# Altium PCB rt10.PcbDoc (part 1 of 4) (continued)
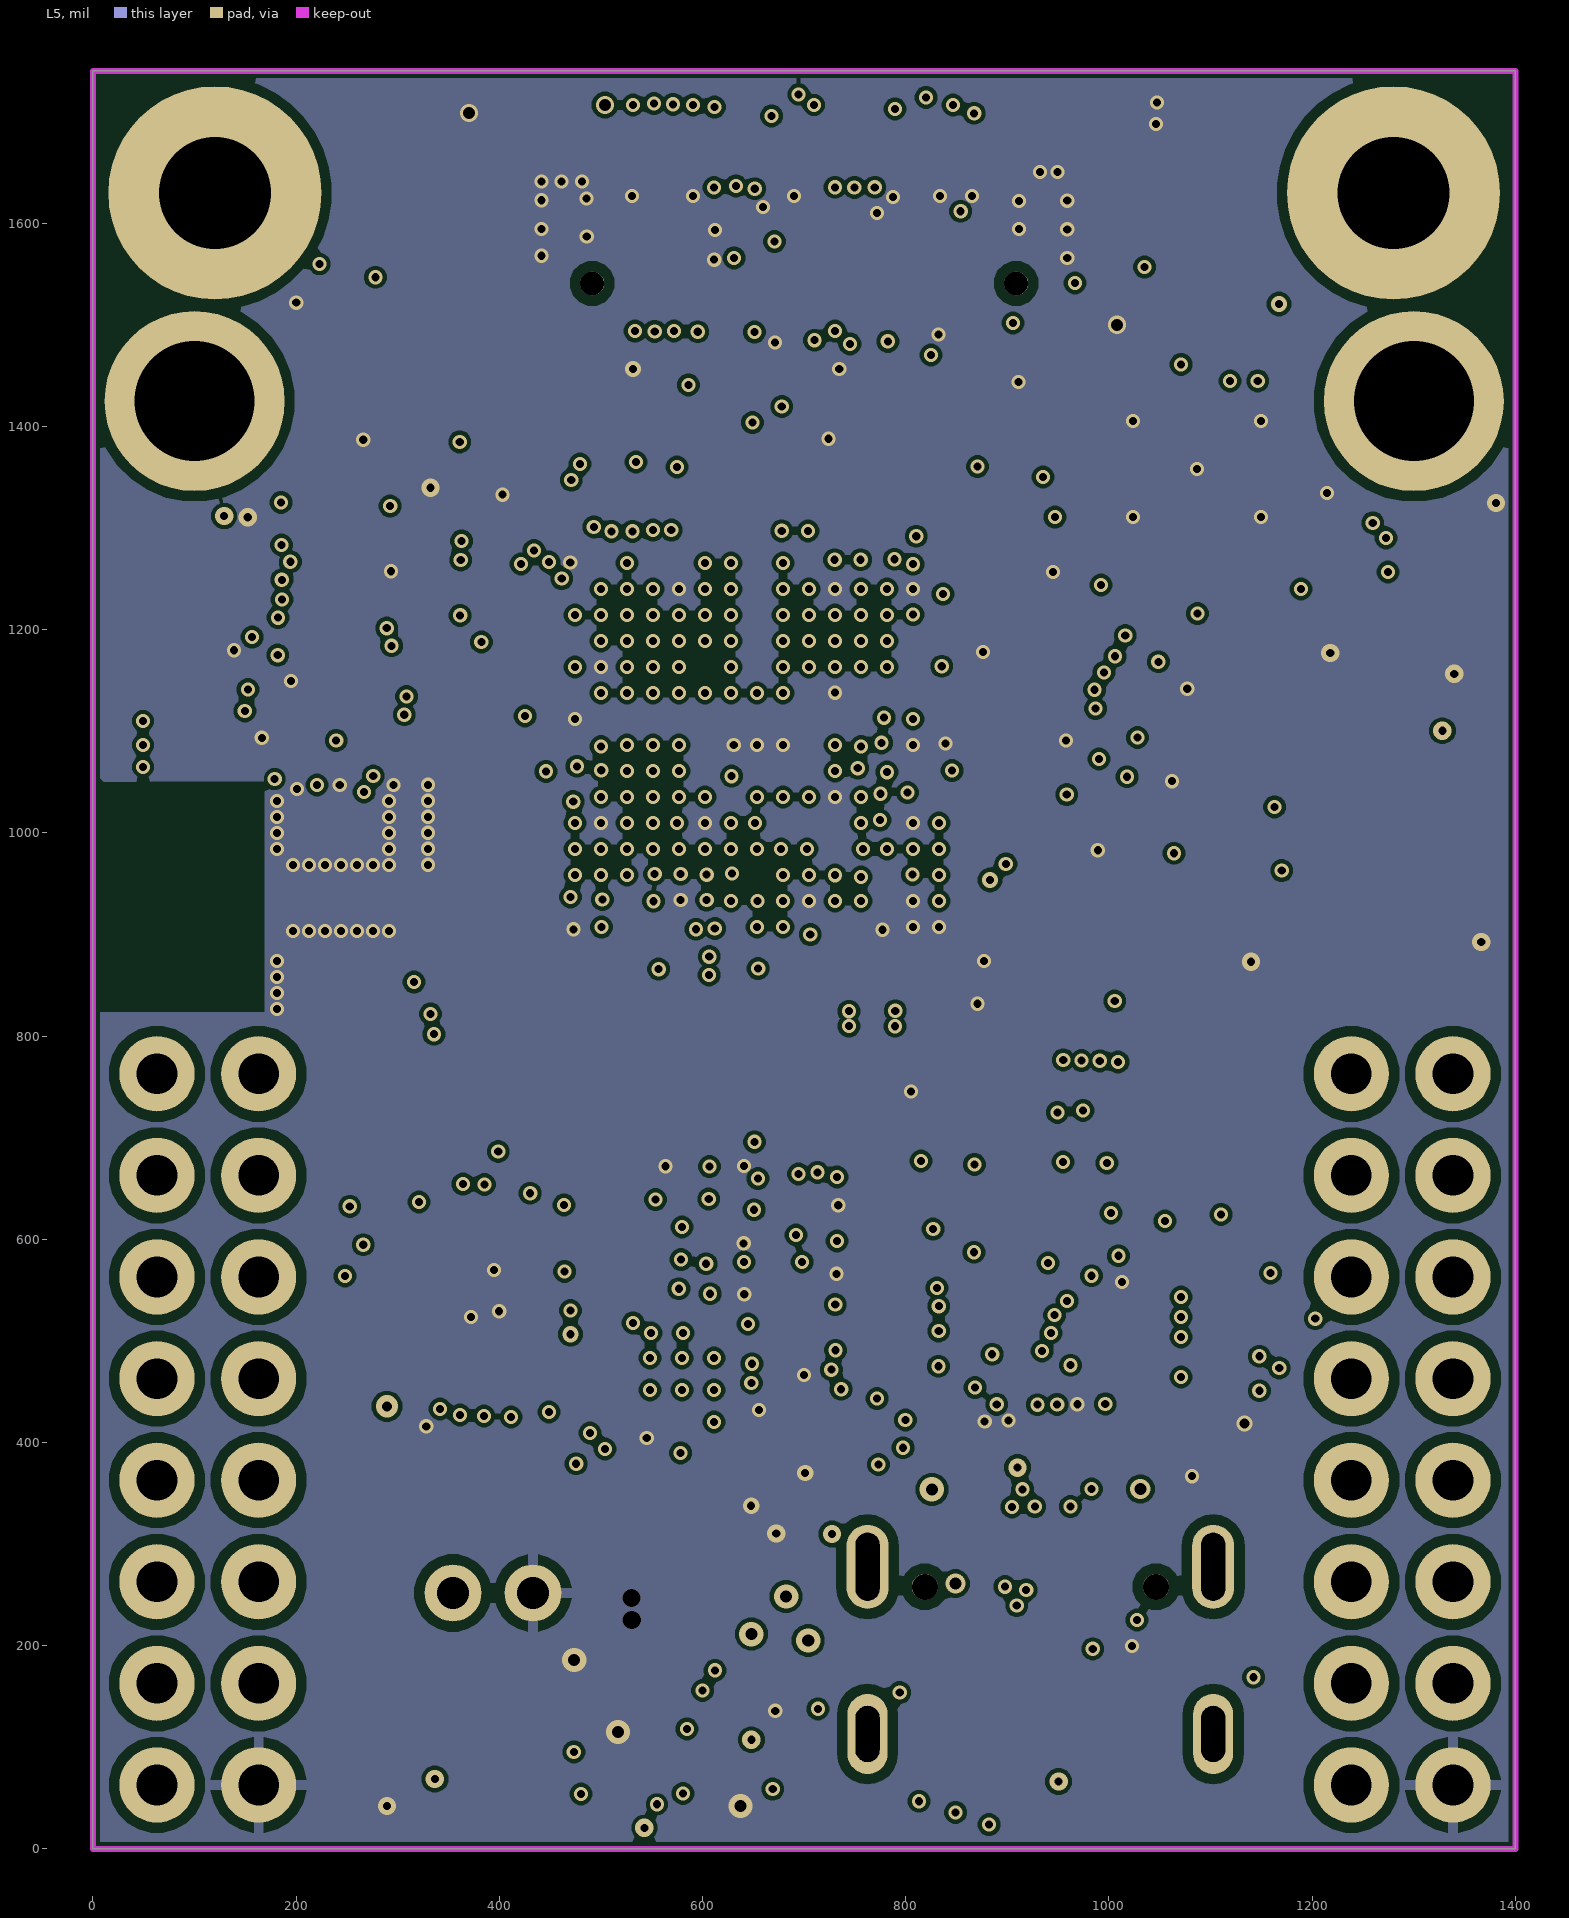
[diagram p5: L5]
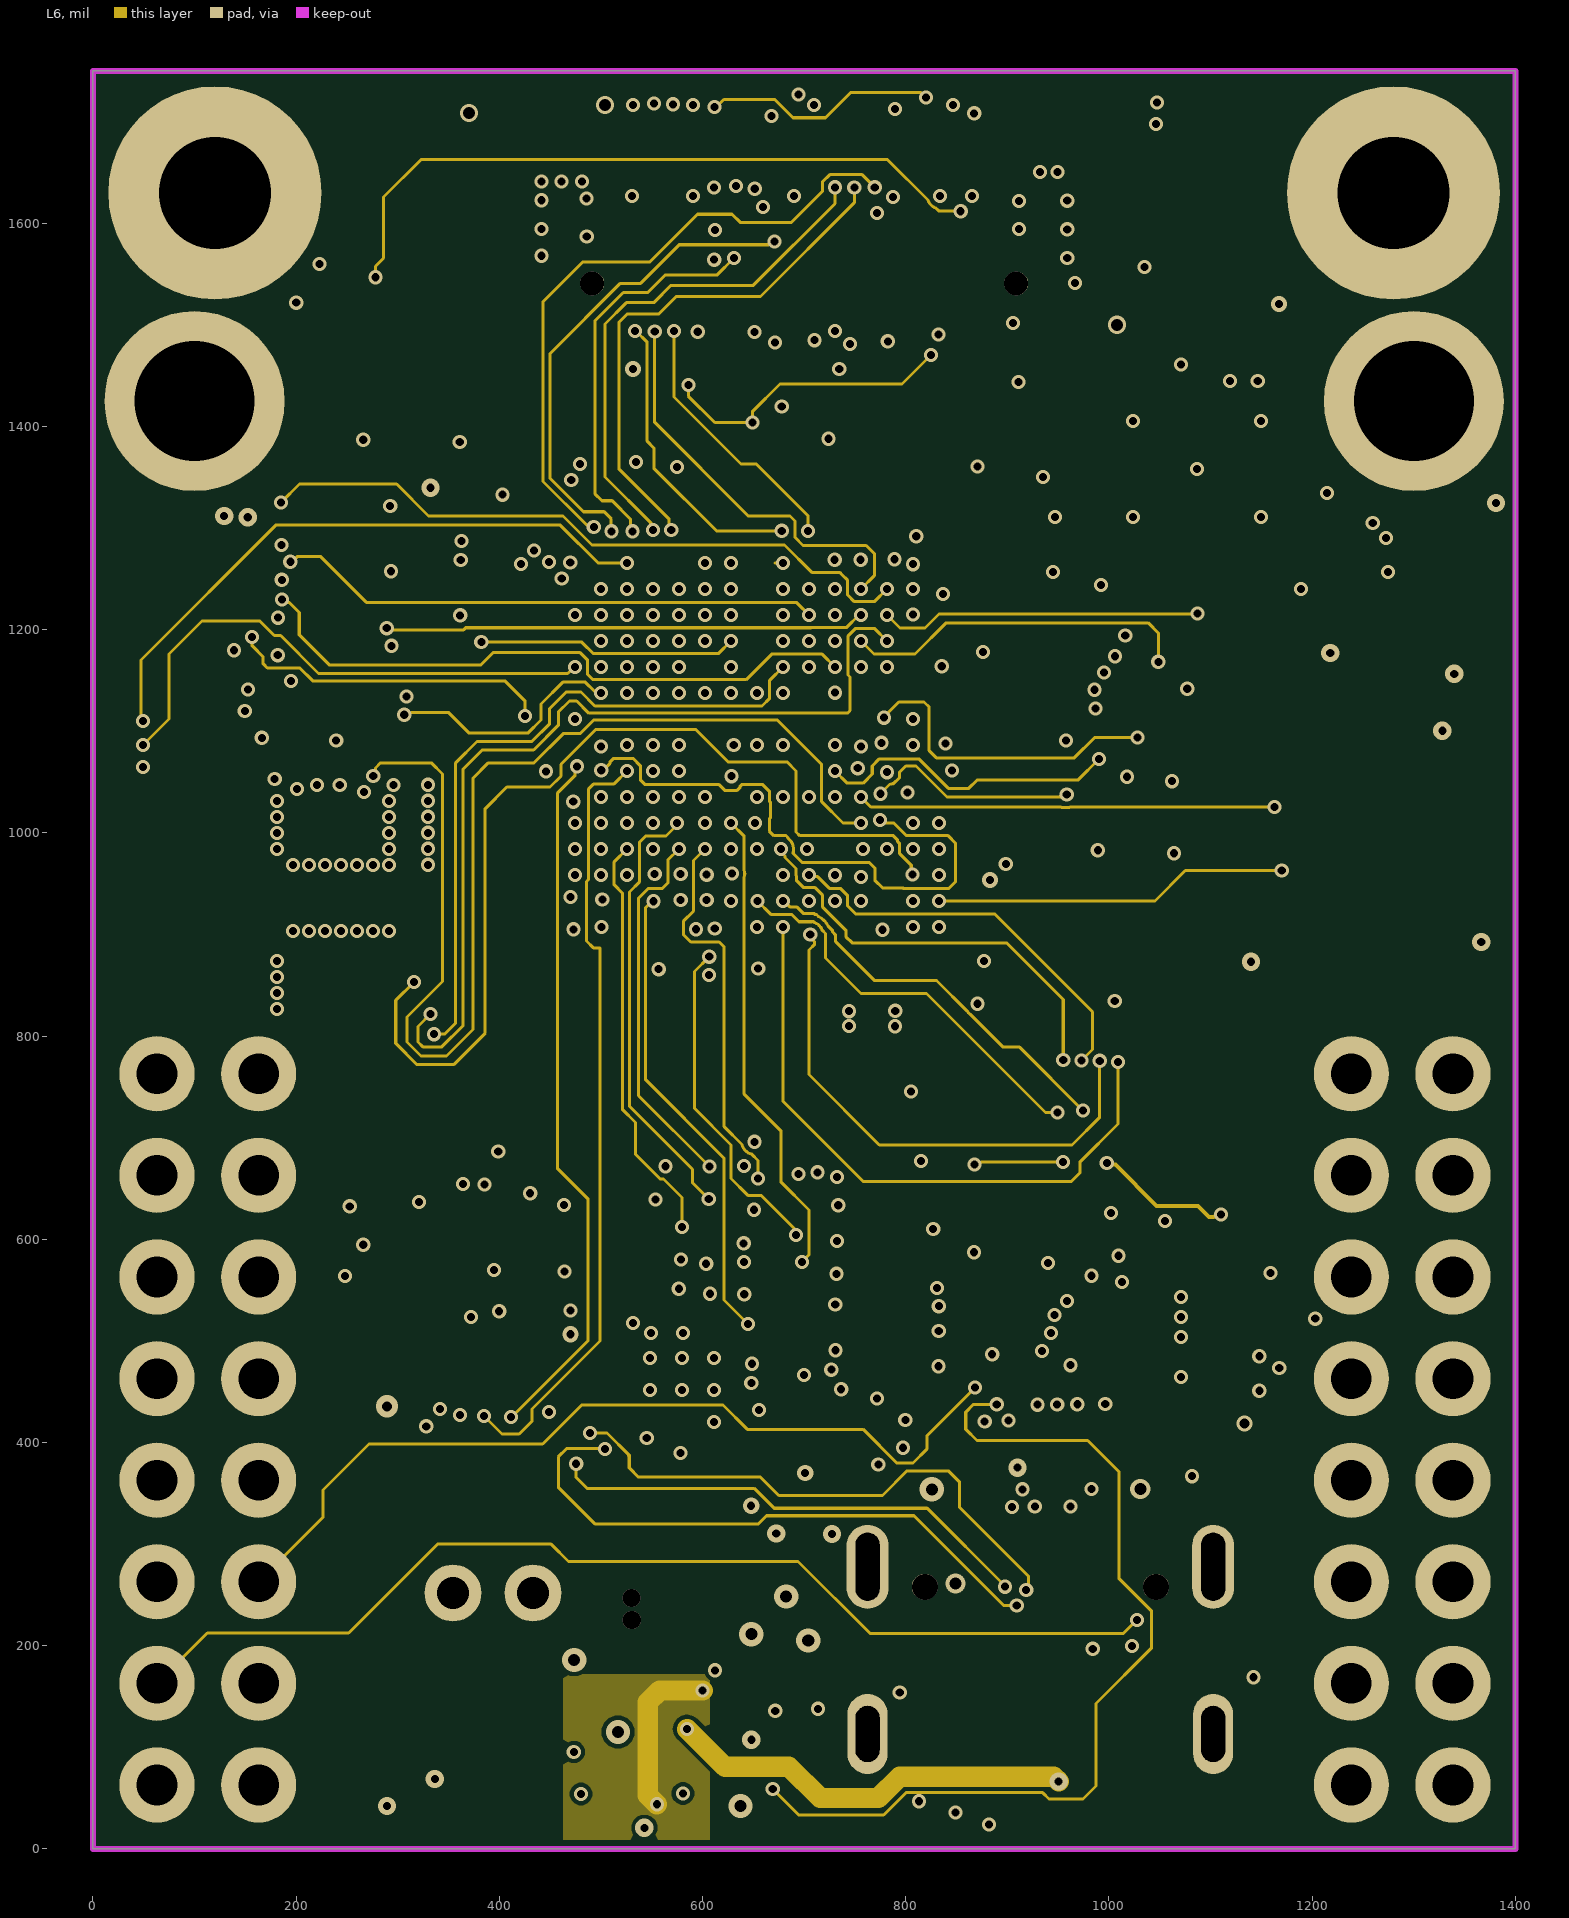
[diagram p6: L6]
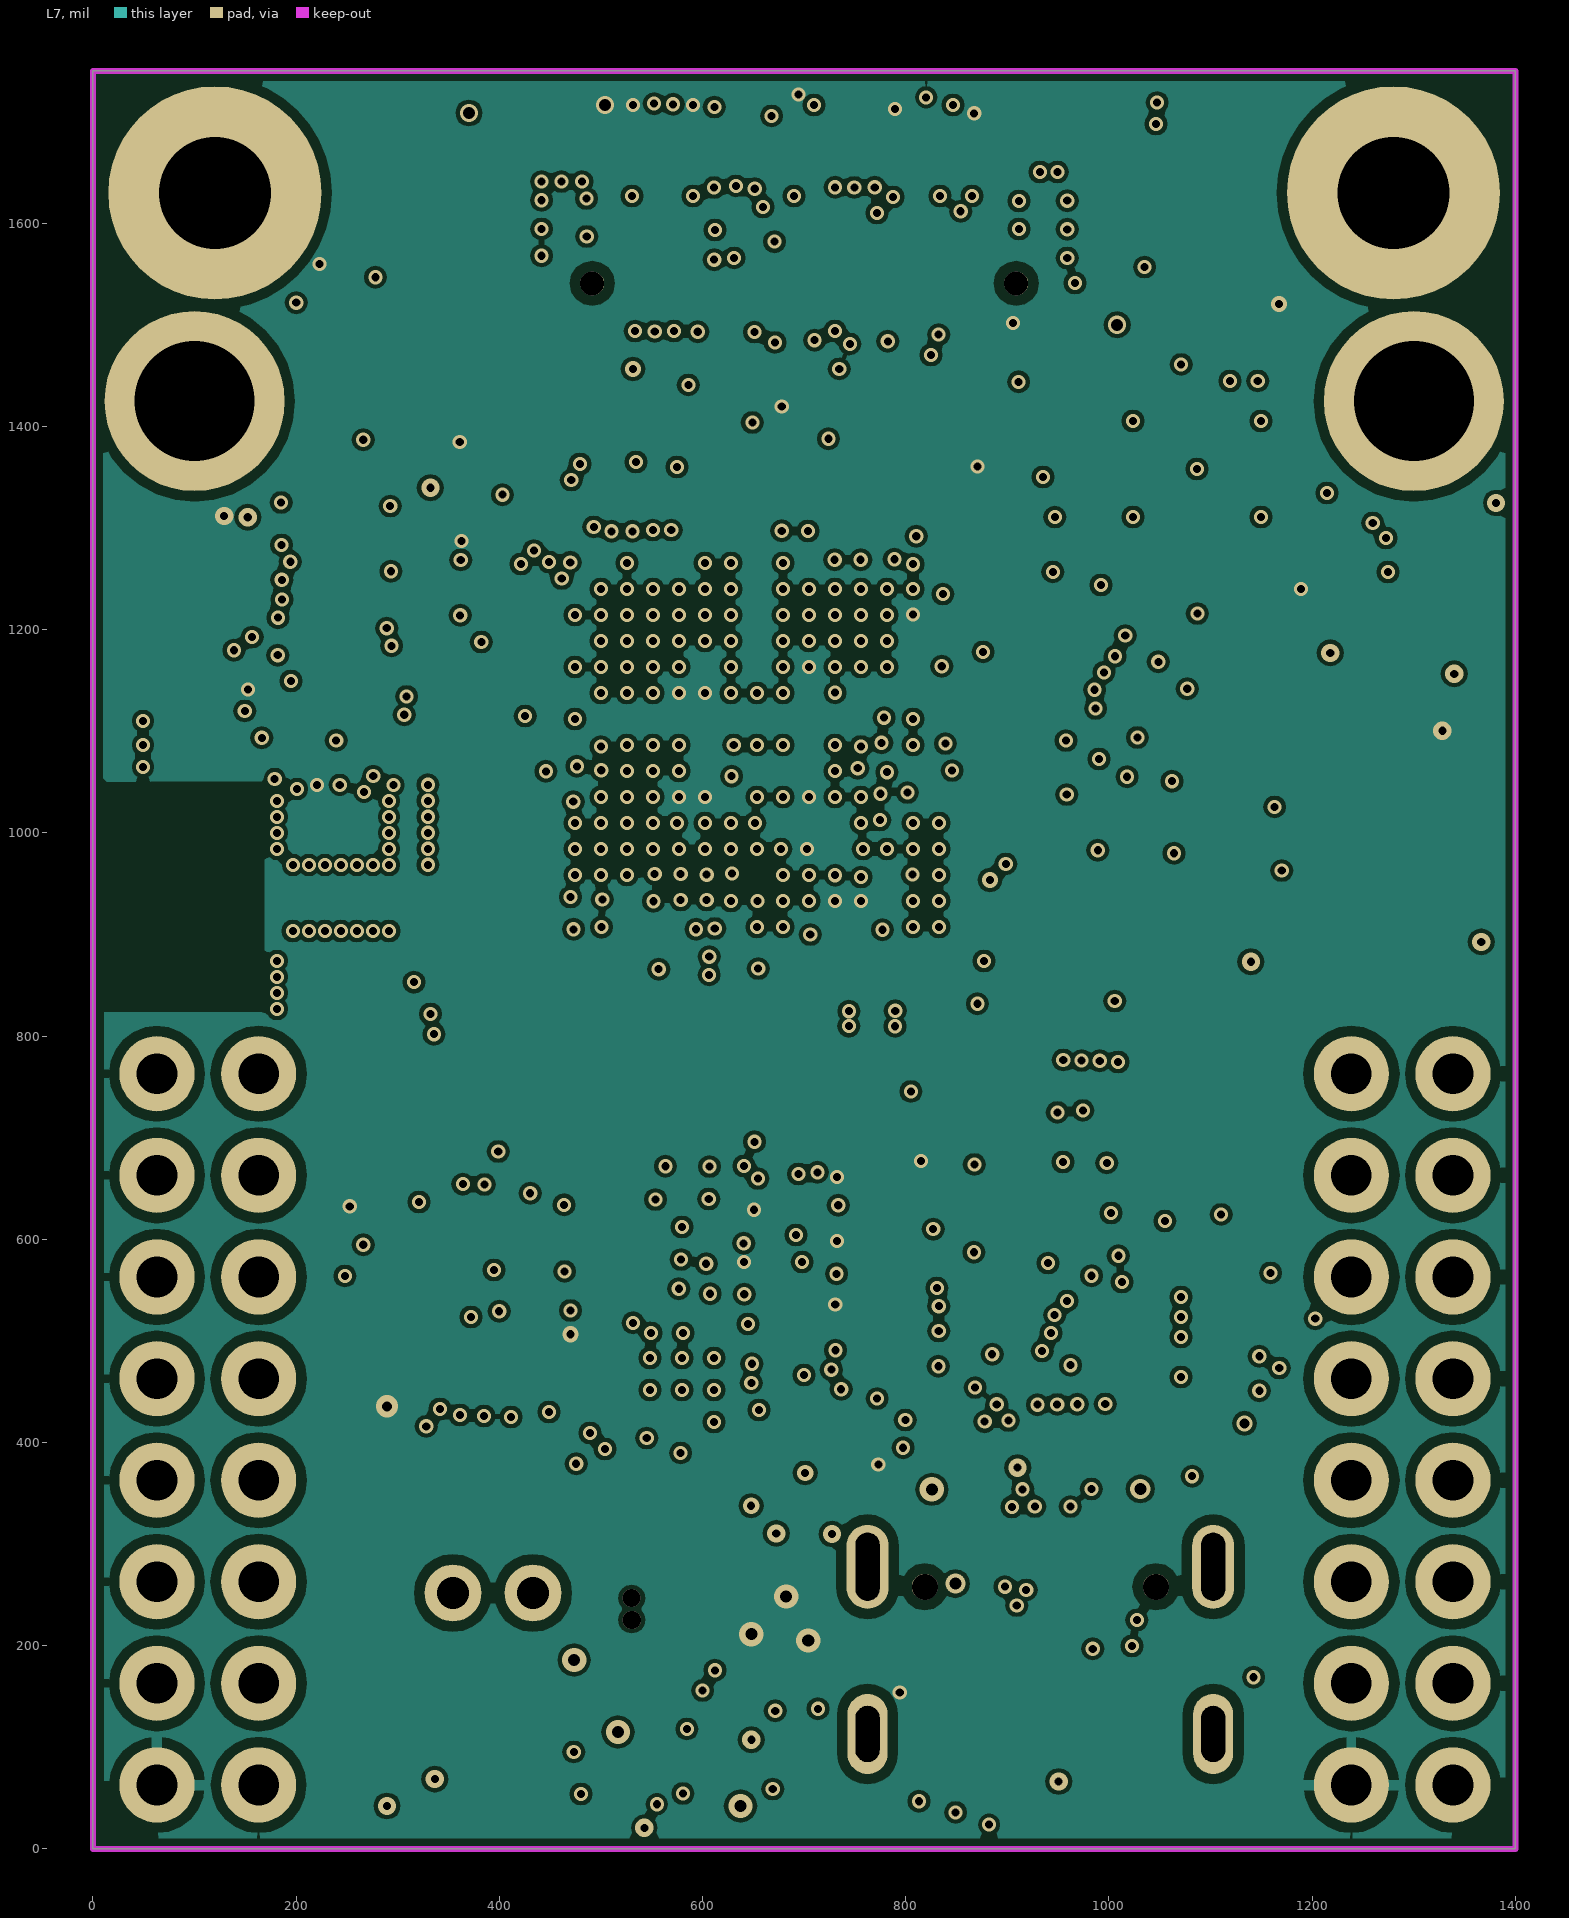
[diagram p7: L7]
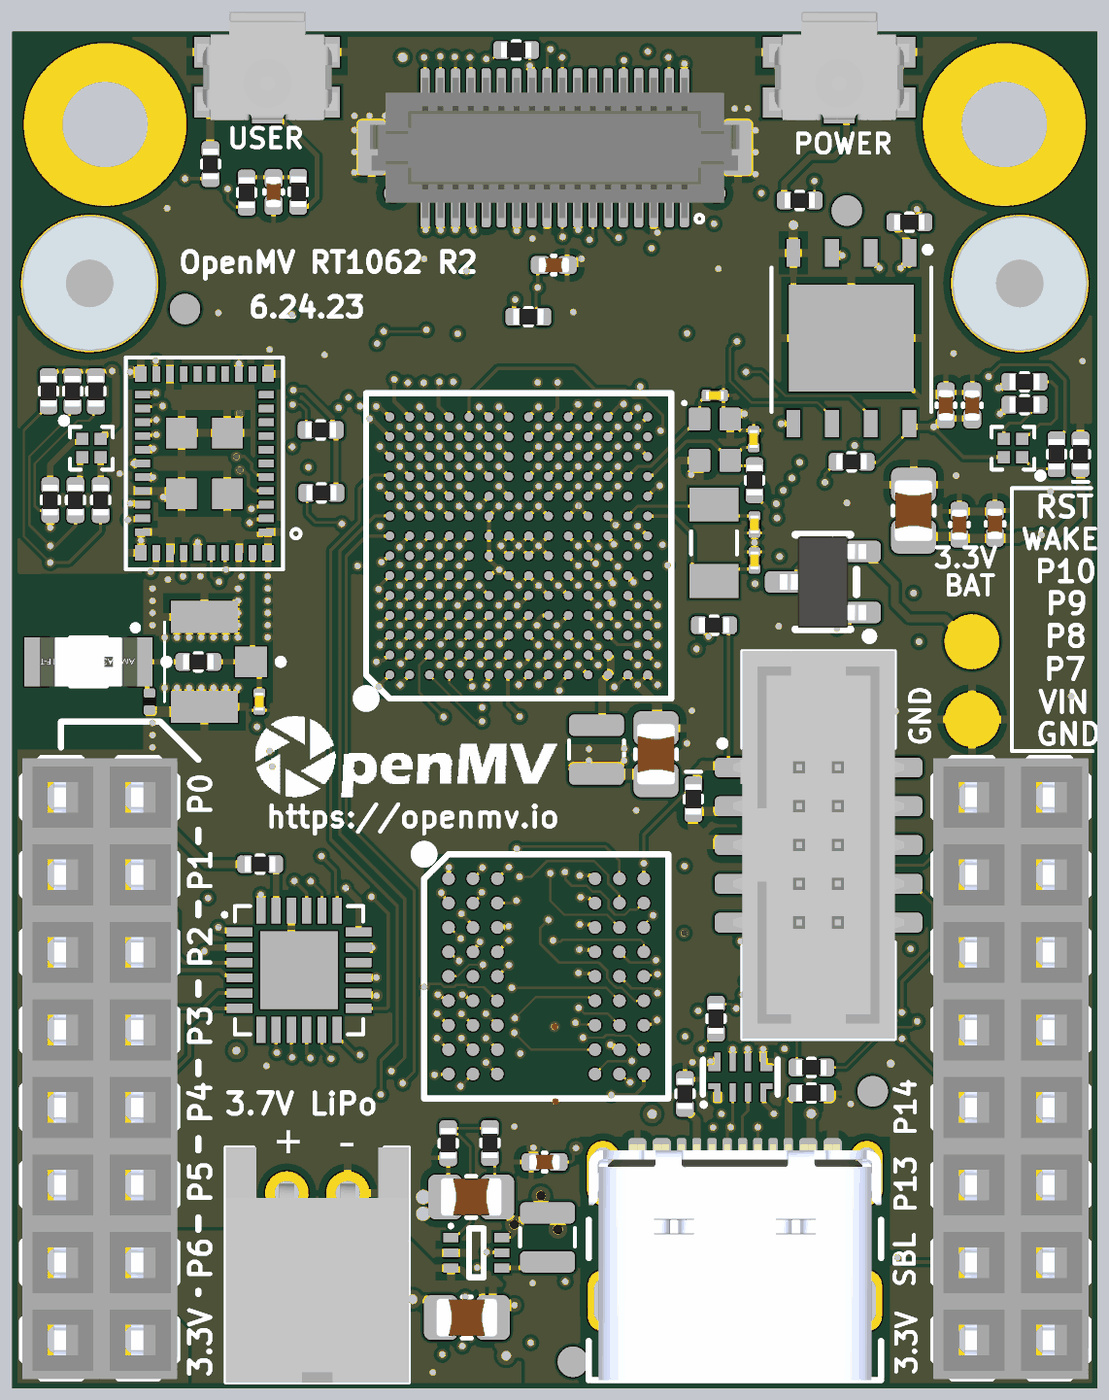
[diagram p11: 3D render of the assembled board from above, using the file's embedded part models]
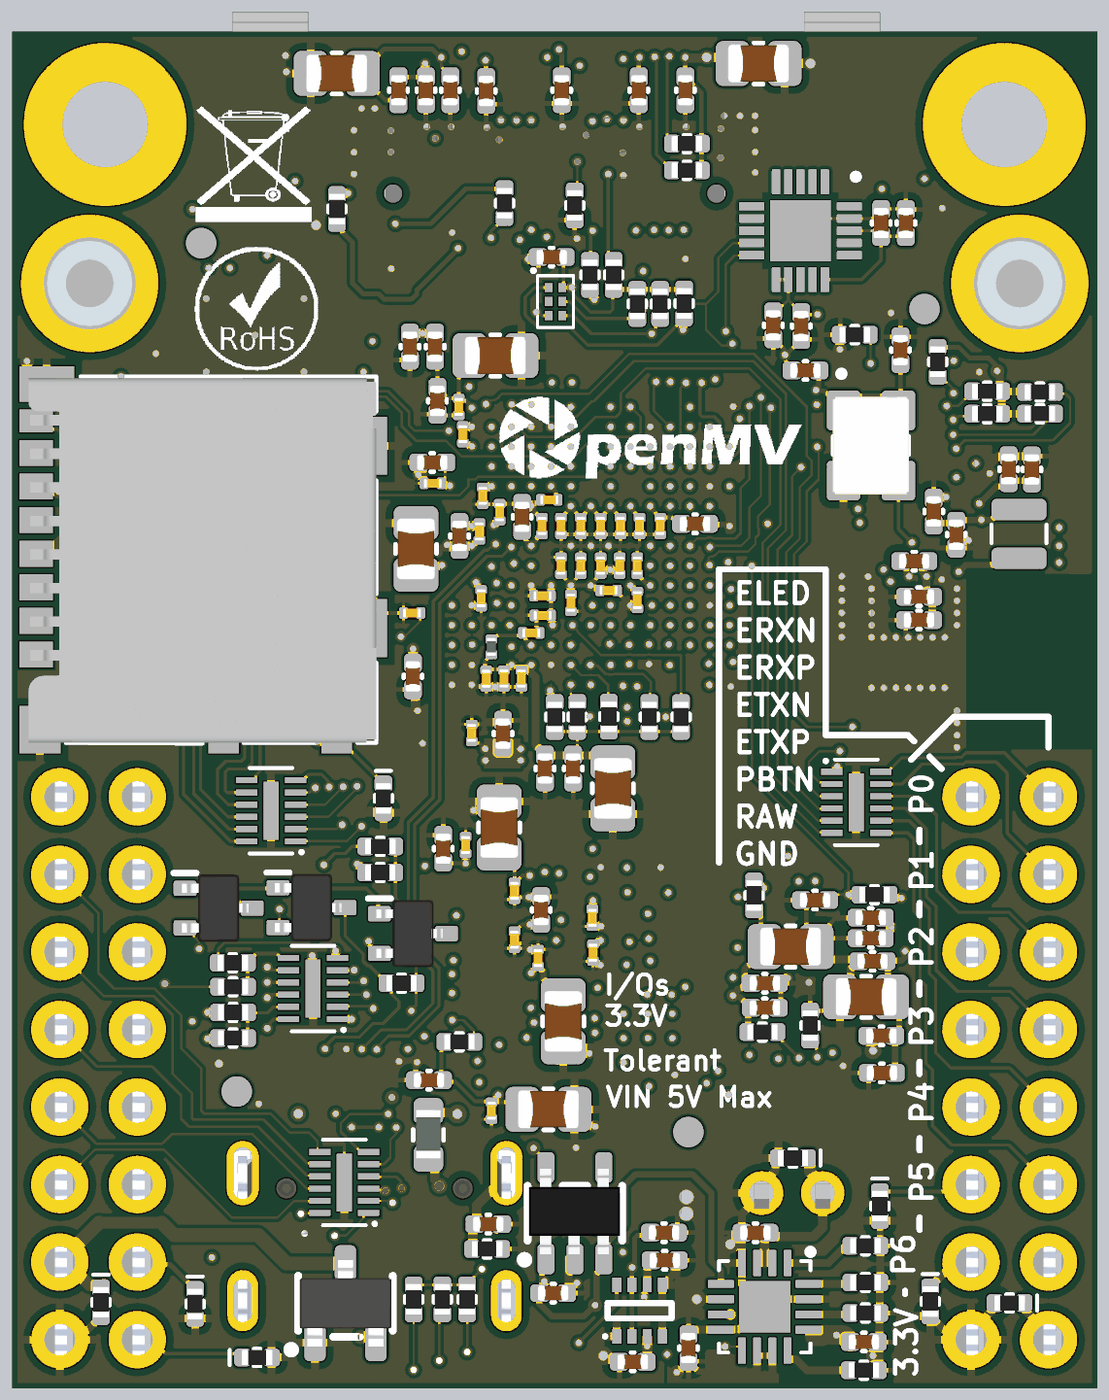
[diagram p12: 3D render of the assembled board from below, using the file's embedded part models]

## Layer stack, top to bottom
Top Solder: solder mask 0.4, Solder Resist, Dk 3.5
Top: signal copper 1.378
Dielectric 1: dielectric 3.937, FR-4, Dk 4.8
L2: signal copper 1.378
Dielectric 4: core 5.9055, FR-4, Dk 4.8
L3: signal copper 1.378
Dielectric2: dielectric 5.1181, FR-4, Dk 4.8
L4: signal copper 1.378
Dielectric 5: core 5.9059, FR-4, Dk 4.8
L5: signal copper 1.378
Dielectric 6: core 5.1181, FR-4, Dk 4.8
L6: signal copper 1.378
Dielectric3: dielectric 5.9055, FR-4, Dk 4.8
L7: signal copper 1.378
Dielectric 7: core 3.937, FR-4, Dk 4.8
Bottom: signal copper 1.378
Bottom Solder: solder mask 0.4, Solder Resist, Dk 3.5

## Board outline
0,0 1400,0 1400,1750 0,1750

## Design rules (kind name [scope] priority, off if disabled: settings)
BoardOutlineClearance mdCopperDimension [All] p1: gap=3 ignorepadtopadclearanceinfootprint=FALSE
Clearance [All] p1: gap=4 ignorepadtopadclearanceinfootprint=FALSE except(10: THPad-Fill THPad-Poly THPad-Region)
ComponentClearance antenna [InComponent('J7') vs InComponent('L7')] p1: gap=0 collisioncheckmode=3 verticalgap=0 showdistances=FALSE
ComponentClearance Logos [InComponent('P1') or InComponent('P2') or InComponent('P3') or InComponent('P4') or InComponent('ANT1')   or InComponent('C78') or InComponent('C77')] p2: gap=0 collisioncheckmode=3 verticalgap=0 showdistances=FALSE
ComponentClearance "io headers" [InComponent('J2')      or InComponent('J3')        or InComponent('J9')] p3: gap=0 collisioncheckmode=3 verticalgap=0 showdistances=FALSE
ComponentClearance [All] p4: gap=5 collisioncheckmode=3 verticalgap=5 showdistances=FALSE
DiffPairsRouting [All] p1: maxlimit=4 minlimit=4 mostfreqgap=4 toplayer_minwidth=4 toplayer_maxwidth=4 toplayer_prefwidth=4 midlayer1_minwidth=4 midlayer1_maxwidth=4 midlayer1_prefwidth=4 midlayer2_minwidth=4 midlayer2_maxwidth=4 midlayer2_prefwidth=4 midlayer3_minwidth=4 midlayer3_maxwidth=4 midlayer3_prefwidth=4 midlayer4_minwidth=4 midlayer4_maxwidth=4 midlayer4_prefwidth=4 midlayer5_minwidth=4 midlayer5_maxwidth=4 midlayer5_prefwidth=4 midlayer6_minwidth=4 midlayer6_maxwidth=4 midlayer6_prefwidth=4 bottomlayer_minwidth=4 bottomlayer_maxwidth=4 bottomlayer_prefwidth=4 maxuncoupledlength=500
HoleSize HoleSize_For_NetClass_usb [InNetClass('usb')] p1: absolutevalues=TRUE maxlimit=5 minlimit=5 maxpercent=80.000 minpercent=20.000
HoleSize HoleSize_For_NetClass_mdio [InNetClass('mdio')] p2: absolutevalues=TRUE maxlimit=5 minlimit=5 maxpercent=80.000 minpercent=20.000
HoleSize HoleSize_For_NetClass_i2c [InNetClass('i2c')] p3: absolutevalues=TRUE maxlimit=5 minlimit=5 maxpercent=80.000 minpercent=20.000
HoleSize HoleSize_For_NetClass_sdcard [InNetClass('sdcard')] p4: absolutevalues=TRUE maxlimit=5 minlimit=5 maxpercent=80.000 minpercent=20.000
HoleSize HoleSize_For_NetClass_wifi [InNetClass('wifi')] p5: absolutevalues=TRUE maxlimit=5 minlimit=5 maxpercent=80.000 minpercent=20.000
HoleSize HoleSize_For_NetClass_mdi [InNetClass('mdi')] p6: absolutevalues=TRUE maxlimit=5 minlimit=5 maxpercent=80.000 minpercent=20.000
HoleSize HoleSize_For_NetClass_eth [InNetClass('eth')] p7: absolutevalues=TRUE maxlimit=5 minlimit=5 maxpercent=80.000 minpercent=20.000
HoleSize HoleSize_For_NetClass_flash [InNetClass('flash')] p8: absolutevalues=TRUE maxlimit=5 minlimit=5 maxpercent=80.000 minpercent=20.000
HoleSize HoleSize_For_NetClass_spi [InNetClass('spi')] p9: absolutevalues=TRUE maxlimit=5 minlimit=5 maxpercent=80.000 minpercent=20.000
HoleSize HoleSize_For_NetClass_dcmi [InNetClass('dcmi')] p10: absolutevalues=TRUE maxlimit=5 minlimit=5 maxpercent=80.000 minpercent=20.000
HoleSize HoleSize_For_NetClass_jtag [InNetClass('jtag')] p11: absolutevalues=TRUE maxlimit=5 minlimit=5 maxpercent=80.000 minpercent=20.000
HoleSize HoleSize_For_NetClass_sdram [InNetClass('sdram')] p12: absolutevalues=TRUE maxlimit=5 minlimit=5 maxpercent=80.000 minpercent=20.000
HoleSize HoleSize_For_NetClass_gnd [InNetClass('gnd')] p13: absolutevalues=TRUE maxlimit=5 minlimit=5 maxpercent=80.000 minpercent=20.000
HoleSize HoleSize_For_NetClass_power [InNetClass('power')] p14: absolutevalues=TRUE maxlimit=10 minlimit=10 maxpercent=80.000 minpercent=20.000
HoleSize [All] p15: absolutevalues=TRUE maxlimit=100000 minlimit=4 maxpercent=80.000 minpercent=20.000
HoleToHoleClearance mdDrill [All] p1: gap=3 allowstackedmicrovias=TRUE
MinimumSolderMaskSliver [All] p1 off: minsoldermaskwidth=10
PasteMaskExpansion Expansion_SMDPaste_OFF [InPadClass('SMDPaste_OFF')] p1: expansion=0
PasteMaskExpansion mlMinCreamFrame [All] p2: expansion=0
PolygonConnect 0402 [HasFootprint('0402-RES')  OR HasFootprint('0402-CAP')] p1: connectstyle=Relief reliefconductorwidth=6 reliefentries=4 polygonreliefangle="90 Angle" airgapwidth=10
PolygonConnect 0201 [HasFootprint('0201-RES')    OR HasFootprint('C0201')        OR HasFootprint('0201-CAP') OR HasFootprint('CAPC0603X33N')] p2: connectstyle=Relief reliefconductorwidth=4 reliefentries=4 polygonreliefangle="90 Angle" airgapwidth=6
PolygonConnect [All] p3: thpad.connectstyle=Relief thpad.reliefconductorwidth=10 thpad.reliefentries=4 thpad.polygonreliefangle="90 Angle" thpad.airgapwidth=10 smdpad.connectstyle=Relief smdpad.reliefconductorwidth=10 smdpad.reliefentries=4 smdpad.polygonreliefangle="90 Angle" smdpad.airgapwidth=10 via.connectstyle=Direct via.reliefconductorwidth=10 via.reliefentries=4 via.polygonreliefangle="90 Angle" via.airgapwidth=10
RoutingVias [All] p1: holewidth=8 width=14 viastyle="Through Hole" minholewidth=8 minwidth=14 maxholewidth=100 maxwidth=100
SolderMaskExpansion Expansion_SMDSolder_OFF [InPadClass('SMDSolder_OFF')] p1: expansion=0 istentingtop=FALSE
SolderMaskExpansion mlMinStopFrame [All] p2: expansion=2 istentingtop=FALSE
Width [All] p1: maxlimit=100 minlimit=3 preferedwidth=3 minimp=50.000000 maximp=50.000000 favimp=50.000000
24 further rules are at their usual default settings.
